# KiCad board SparkFun_Pro_Mini-ESP32_panelized.kicad_pcb (continued)
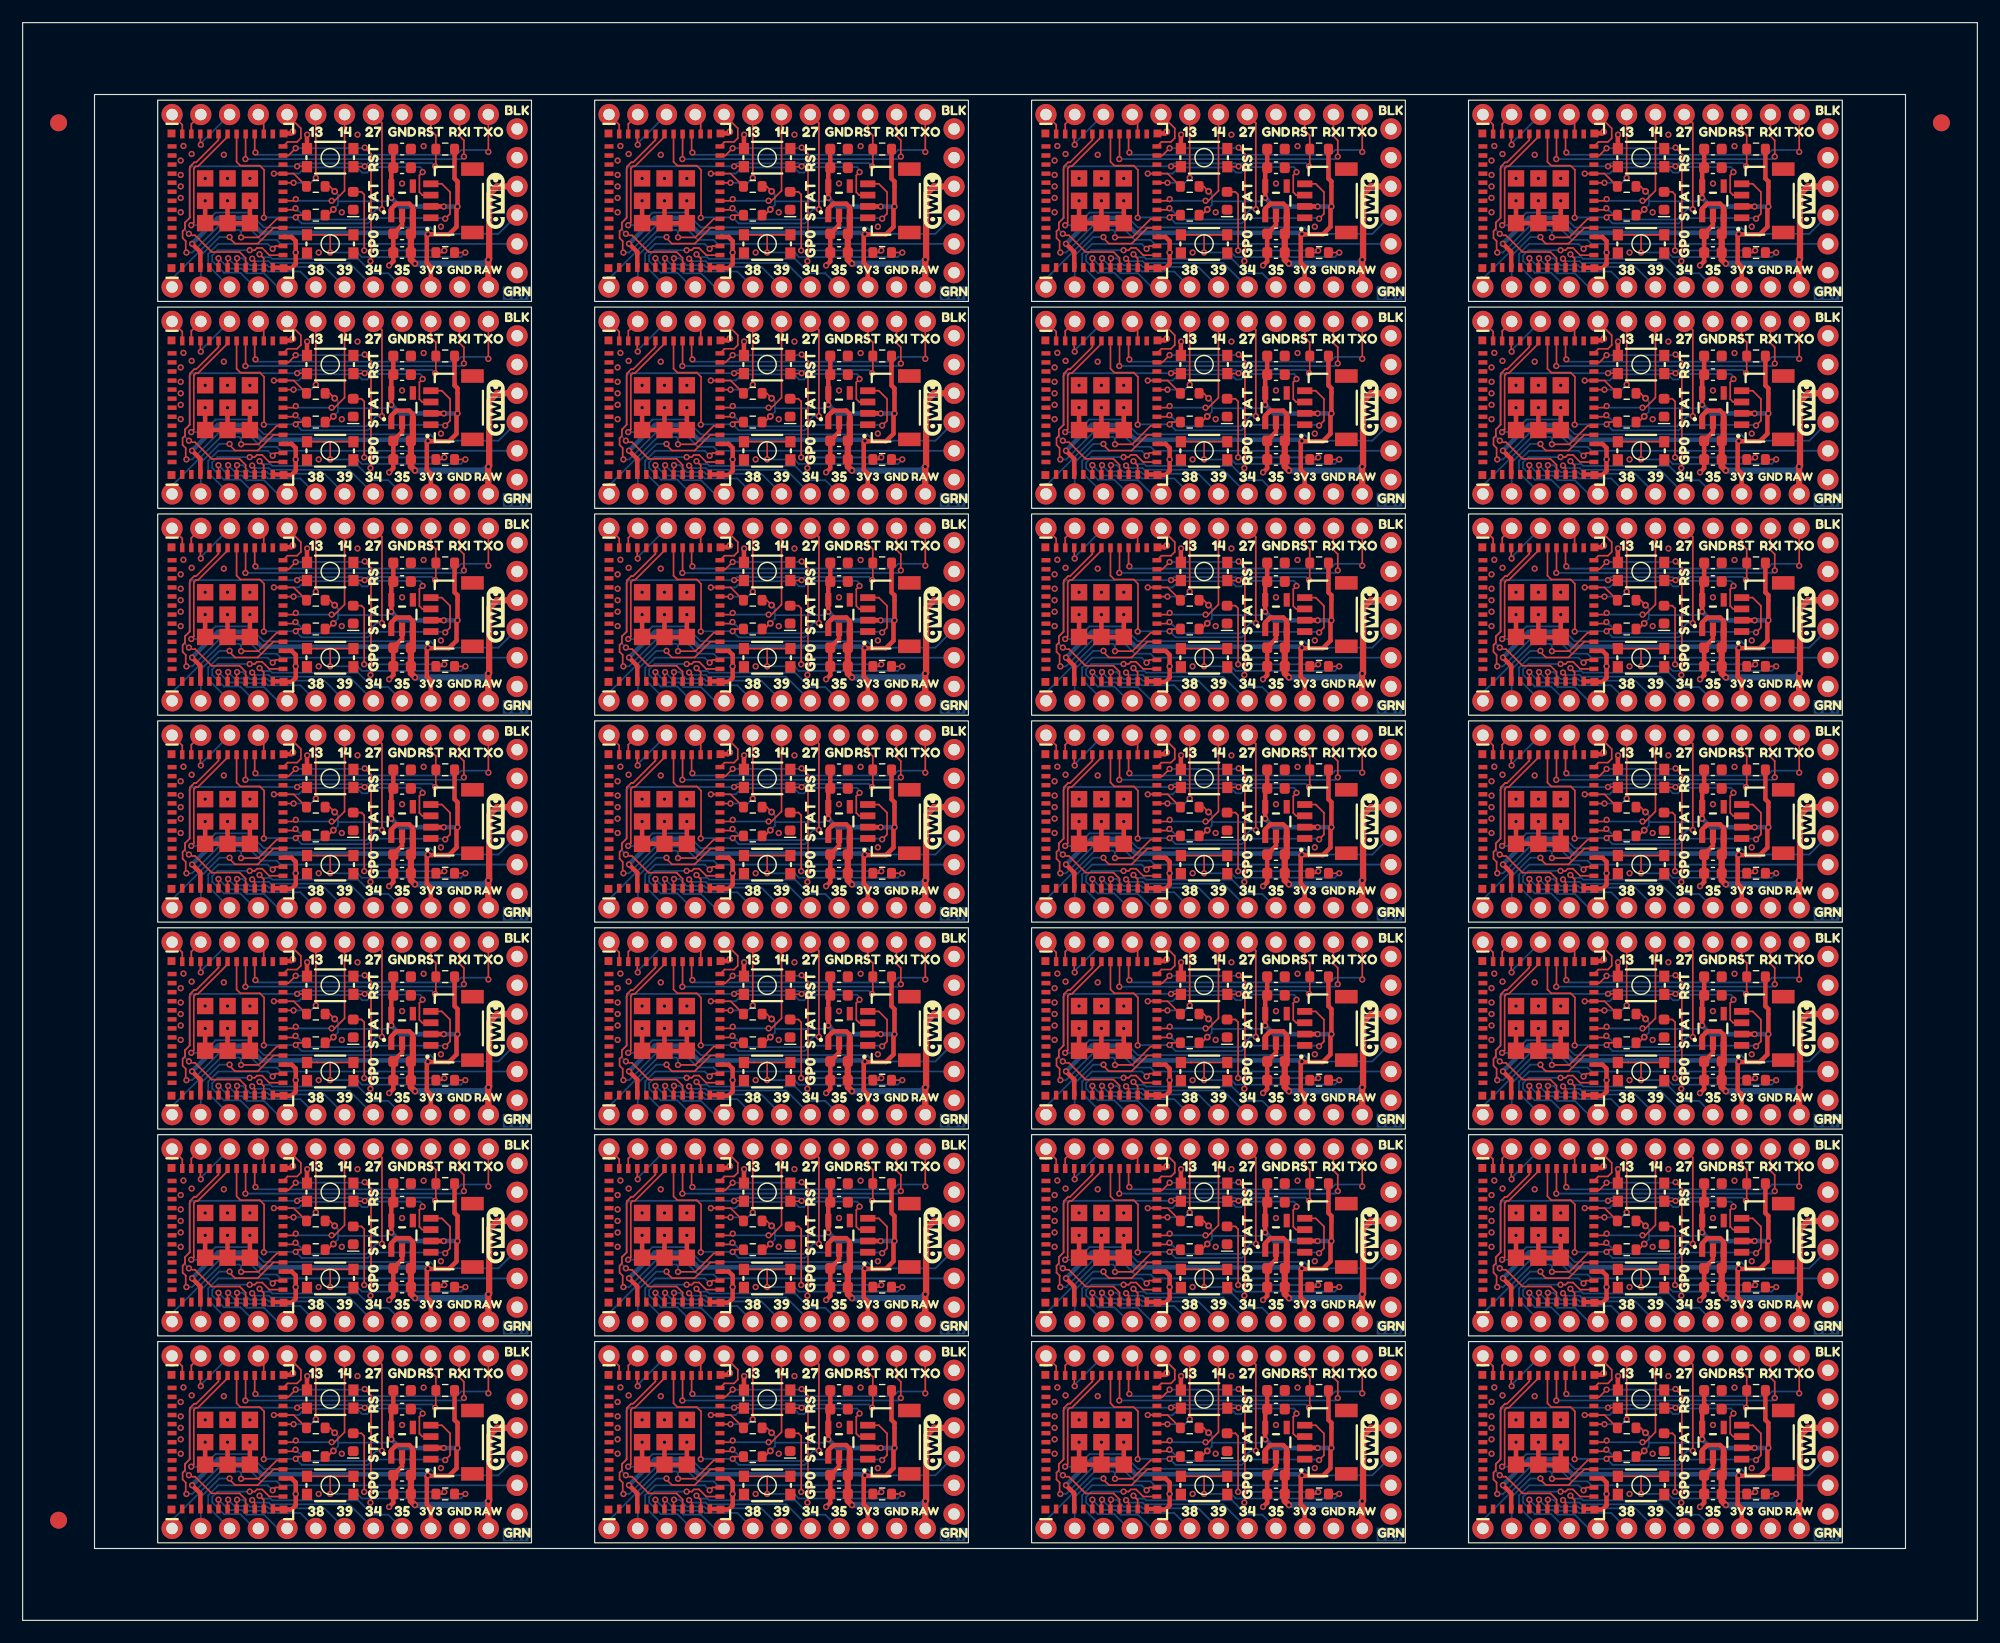
[diagram p0: board, top side]
## Placement (name value [footprint] x y rotation side) (continued)
kibuzzard-64DAF3F2#18  G***  [kibuzzard-64DAF3F2]  67.04 58.4 0 top
kibuzzard-64DAF3F2#19  G***  [kibuzzard-64DAF3F2]  144.24 40.12 0 top
kibuzzard-64DAF3F2#20  G***  [kibuzzard-64DAF3F2]  105.64 21.84 0 top
kibuzzard-64DAF3F2#21  G***  [kibuzzard-64DAF3F2]  67.04 76.68 0 top
kibuzzard-64DAF3F2#22  G***  [kibuzzard-64DAF3F2]  67.04 131.52 0 top
kibuzzard-64DAF3F2#23  G***  [kibuzzard-64DAF3F2]  105.64 40.12 0 top
kibuzzard-64DAF3F2#24  G***  [kibuzzard-64DAF3F2]  105.64 58.4 0 top
kibuzzard-64DAF3F2#25  G***  [kibuzzard-64DAF3F2]  28.44 76.68 0 top
kibuzzard-64DAF3F2#26  G***  [kibuzzard-64DAF3F2]  28.44 58.4 0 top
kibuzzard-64DAF3F2#27  G***  [kibuzzard-64DAF3F2]  67.04 113.24 0 top
kibuzzard-64DAF3F2#28  G***  [kibuzzard-64DAF3F2]  67.04 21.84 0 top
kibuzzard-64DAF3F2#29  G***  [kibuzzard-64DAF3F2]  105.64 40.12 180 bottom
kibuzzard-64DAF3F2#30  G***  [kibuzzard-64DAF3F2]  28.44 76.68 180 bottom
kibuzzard-64DAF3F2#31  G***  [kibuzzard-64DAF3F2]  28.44 131.52 180 bottom
kibuzzard-64DAF3F2#32  G***  [kibuzzard-64DAF3F2]  144.24 94.96 180 bottom
kibuzzard-64DAF3F2#33  G***  [kibuzzard-64DAF3F2]  67.04 113.24 180 bottom
kibuzzard-64DAF3F2#34  G***  [kibuzzard-64DAF3F2]  67.04 21.84 180 bottom
kibuzzard-64DAF3F2#35  G***  [kibuzzard-64DAF3F2]  67.04 58.4 180 bottom
kibuzzard-64DAF3F2#36  G***  [kibuzzard-64DAF3F2]  105.64 21.84 180 bottom
kibuzzard-64DAF3F2#37  G***  [kibuzzard-64DAF3F2]  28.44 58.4 180 bottom
kibuzzard-64DAF3F2#38  G***  [kibuzzard-64DAF3F2]  28.44 113.24 180 bottom
kibuzzard-64DAF3F2#39  G***  [kibuzzard-64DAF3F2]  67.04 94.96 180 bottom
kibuzzard-64DAF3F2#40  G***  [kibuzzard-64DAF3F2]  28.44 94.96 180 bottom
kibuzzard-64DAF3F2#41  G***  [kibuzzard-64DAF3F2]  105.64 131.52 180 bottom
kibuzzard-64DAF3F2#42  G***  [kibuzzard-64DAF3F2]  28.44 21.84 180 bottom
kibuzzard-64DAF3F2#43  G***  [kibuzzard-64DAF3F2]  144.24 21.84 180 bottom
kibuzzard-64DAF3F2#44  G***  [kibuzzard-64DAF3F2]  105.64 113.24 180 bottom
kibuzzard-64DAF3F2#45  G***  [kibuzzard-64DAF3F2]  144.24 113.24 180 bottom
kibuzzard-64DAF3F2#46  G***  [kibuzzard-64DAF3F2]  105.64 58.4 180 bottom
kibuzzard-64DAF3F2#47  G***  [kibuzzard-64DAF3F2]  144.24 131.52 180 bottom
kibuzzard-64DAF3F2#48  G***  [kibuzzard-64DAF3F2]  67.04 131.52 180 bottom
kibuzzard-64DAF3F2#49  G***  [kibuzzard-64DAF3F2]  144.24 76.68 180 bottom
kibuzzard-64DAF3F2#50  G***  [kibuzzard-64DAF3F2]  105.64 76.68 180 bottom
kibuzzard-64DAF3F2#51  G***  [kibuzzard-64DAF3F2]  67.04 40.12 180 bottom
kibuzzard-64DAF3F2#52  G***  [kibuzzard-64DAF3F2]  144.24 40.12 180 bottom
kibuzzard-64DAF3F2#53  G***  [kibuzzard-64DAF3F2]  28.44 40.12 180 bottom
kibuzzard-64DAF3F2#54  G***  [kibuzzard-64DAF3F2]  67.04 76.68 180 bottom
kibuzzard-64DAF3F2#55  G***  [kibuzzard-64DAF3F2]  144.24 58.4 180 bottom
kibuzzard-64DAF3F2#56  G***  [kibuzzard-64DAF3F2]  105.64 94.96 180 bottom
kibuzzard-64DAF38C  G***  [kibuzzard-64DAF38C]  151.86 46.2 0 top
kibuzzard-64DAF38C#2  G***  [kibuzzard-64DAF38C]  151.86 119.32 0 top
kibuzzard-64DAF38C#3  G***  [kibuzzard-64DAF38C]  74.66 101.04 0 top
kibuzzard-64DAF38C#4  G***  [kibuzzard-64DAF38C]  151.86 82.76 0 top
kibuzzard-64DAF38C#5  G***  [kibuzzard-64DAF38C]  74.66 27.92 0 top
kibuzzard-64DAF38C#6  G***  [kibuzzard-64DAF38C]  36.06 9.64 0 top
kibuzzard-64DAF38C#7  G***  [kibuzzard-64DAF38C]  36.06 119.32 0 top
kibuzzard-64DAF38C#8  G***  [kibuzzard-64DAF38C]  113.26 9.64 0 top
kibuzzard-64DAF38C#9  G***  [kibuzzard-64DAF38C]  74.66 119.32 0 top
kibuzzard-64DAF38C#10  G***  [kibuzzard-64DAF38C]  36.06 101.04 0 top
kibuzzard-64DAF38C#11  G***  [kibuzzard-64DAF38C]  113.26 64.48 0 top
kibuzzard-64DAF38C#12  G***  [kibuzzard-64DAF38C]  74.66 82.76 0 top
kibuzzard-64DAF38C#13  G***  [kibuzzard-64DAF38C]  151.86 9.64 0 top
kibuzzard-64DAF38C#14  G***  [kibuzzard-64DAF38C]  36.06 82.76 0 top
kibuzzard-64DAF38C#15  G***  [kibuzzard-64DAF38C]  36.06 46.2 0 top
kibuzzard-64DAF38C#16  G***  [kibuzzard-64DAF38C]  151.86 27.92 0 top
kibuzzard-64DAF38C#17  G***  [kibuzzard-64DAF38C]  74.66 9.64 0 top
kibuzzard-64DAF38C#18  G***  [kibuzzard-64DAF38C]  74.66 64.48 0 top
kibuzzard-64DAF38C#19  G***  [kibuzzard-64DAF38C]  113.26 82.76 0 top
kibuzzard-64DAF38C#20  G***  [kibuzzard-64DAF38C]  113.26 27.92 0 top
kibuzzard-64DAF38C#21  G***  [kibuzzard-64DAF38C]  151.86 101.04 0 top
kibuzzard-64DAF38C#22  G***  [kibuzzard-64DAF38C]  113.26 119.32 0 top
kibuzzard-64DAF38C#23  G***  [kibuzzard-64DAF38C]  151.86 64.48 0 top
kibuzzard-64DAF38C#24  G***  [kibuzzard-64DAF38C]  113.26 101.04 0 top
kibuzzard-64DAF38C#25  G***  [kibuzzard-64DAF38C]  36.06 27.92 0 top
kibuzzard-64DAF38C#26  G***  [kibuzzard-64DAF38C]  36.06 64.48 0 top
kibuzzard-64DAF38C#27  G***  [kibuzzard-64DAF38C]  113.26 46.2 0 top
kibuzzard-64DAF38C#28  G***  [kibuzzard-64DAF38C]  74.66 46.2 0 top
kibuzzard-64DAF38C#29  G***  [kibuzzard-64DAF38C]  36.06 46.2 180 bottom
kibuzzard-64DAF38C#30  G***  [kibuzzard-64DAF38C]  36.06 64.48 180 bottom
kibuzzard-64DAF38C#31  G***  [kibuzzard-64DAF38C]  113.26 46.2 180 bottom
kibuzzard-64DAF38C#32  G***  [kibuzzard-64DAF38C]  151.86 64.48 180 bottom
kibuzzard-64DAF38C#33  G***  [kibuzzard-64DAF38C]  113.26 64.48 180 bottom
kibuzzard-64DAF38C#34  G***  [kibuzzard-64DAF38C]  151.86 9.64 180 bottom
kibuzzard-64DAF38C#35  G***  [kibuzzard-64DAF38C]  74.66 46.2 180 bottom
kibuzzard-64DAF38C#36  G***  [kibuzzard-64DAF38C]  113.26 27.92 180 bottom
kibuzzard-64DAF38C#37  G***  [kibuzzard-64DAF38C]  151.86 46.2 180 bottom
kibuzzard-64DAF38C#38  G***  [kibuzzard-64DAF38C]  36.06 9.64 180 bottom
kibuzzard-64DAF38C#39  G***  [kibuzzard-64DAF38C]  113.26 119.32 180 bottom
kibuzzard-64DAF38C#40  G***  [kibuzzard-64DAF38C]  113.26 82.76 180 bottom
kibuzzard-64DAF38C#41  G***  [kibuzzard-64DAF38C]  151.86 82.76 180 bottom
kibuzzard-64DAF38C#42  G***  [kibuzzard-64DAF38C]  74.66 9.64 180 bottom
kibuzzard-64DAF38C#43  G***  [kibuzzard-64DAF38C]  113.26 101.04 180 bottom
kibuzzard-64DAF38C#44  G***  [kibuzzard-64DAF38C]  74.66 101.04 180 bottom
kibuzzard-64DAF38C#45  G***  [kibuzzard-64DAF38C]  74.66 82.76 180 bottom
kibuzzard-64DAF38C#46  G***  [kibuzzard-64DAF38C]  36.06 101.04 180 bottom
kibuzzard-64DAF38C#47  G***  [kibuzzard-64DAF38C]  36.06 119.32 180 bottom
kibuzzard-64DAF38C#48  G***  [kibuzzard-64DAF38C]  74.66 119.32 180 bottom
kibuzzard-64DAF38C#49  G***  [kibuzzard-64DAF38C]  36.06 82.76 180 bottom
kibuzzard-64DAF38C#50  G***  [kibuzzard-64DAF38C]  151.86 119.32 180 bottom
kibuzzard-64DAF38C#51  G***  [kibuzzard-64DAF38C]  151.86 27.92 180 bottom
kibuzzard-64DAF38C#52  G***  [kibuzzard-64DAF38C]  74.66 27.92 180 bottom
kibuzzard-64DAF38C#53  G***  [kibuzzard-64DAF38C]  113.26 9.64 180 bottom
kibuzzard-64DAF38C#54  G***  [kibuzzard-64DAF38C]  74.66 64.48 180 bottom
kibuzzard-64DAF38C#55  G***  [kibuzzard-64DAF38C]  151.86 101.04 180 bottom
kibuzzard-64DAF38C#56  G***  [kibuzzard-64DAF38C]  36.06 27.92 180 bottom
kibuzzard-64DAF158  G***  [kibuzzard-64DAF158]  146.78 48.49 90 top
kibuzzard-64DAF158#2  G***  [kibuzzard-64DAF158]  146.78 30.21 90 top
kibuzzard-64DAF158#3  G***  [kibuzzard-64DAF158]  108.18 85.05 90 top
kibuzzard-64DAF158#4  G***  [kibuzzard-64DAF158]  108.18 103.33 90 top
kibuzzard-64DAF158#5  G***  [kibuzzard-64DAF158]  108.18 48.49 90 top
kibuzzard-64DAF158#6  G***  [kibuzzard-64DAF158]  146.78 103.33 90 top
kibuzzard-64DAF158#7  G***  [kibuzzard-64DAF158]  30.98 121.61 90 top
kibuzzard-64DAF158#8  G***  [kibuzzard-64DAF158]  30.98 11.93 90 top
kibuzzard-64DAF158#9  G***  [kibuzzard-64DAF158]  30.98 30.21 90 top
kibuzzard-64DAF158#10  G***  [kibuzzard-64DAF158]  108.18 66.77 90 top
kibuzzard-64DAF158#11  G***  [kibuzzard-64DAF158]  69.58 11.93 90 top
kibuzzard-64DAF158#12  G***  [kibuzzard-64DAF158]  30.98 48.49 90 top
kibuzzard-64DAF158#13  G***  [kibuzzard-64DAF158]  146.78 85.05 90 top
kibuzzard-64DAF158#14  G***  [kibuzzard-64DAF158]  69.58 48.49 90 top
kibuzzard-64DAF158#15  G***  [kibuzzard-64DAF158]  146.78 66.77 90 top
kibuzzard-64DAF158#16  G***  [kibuzzard-64DAF158]  108.18 121.61 90 top
kibuzzard-64DAF158#17  G***  [kibuzzard-64DAF158]  108.18 30.21 90 top
kibuzzard-64DAF158#18  G***  [kibuzzard-64DAF158]  30.98 66.77 90 top
kibuzzard-64DAF158#19  G***  [kibuzzard-64DAF158]  69.58 66.77 90 top
kibuzzard-64DAF158#20  G***  [kibuzzard-64DAF158]  69.58 30.21 90 top
kibuzzard-64DAF158#21  G***  [kibuzzard-64DAF158]  69.58 85.05 90 top
kibuzzard-64DAF158#22  G***  [kibuzzard-64DAF158]  30.98 103.33 90 top
kibuzzard-64DAF158#23  G***  [kibuzzard-64DAF158]  30.98 85.05 90 top
kibuzzard-64DAF158#24  G***  [kibuzzard-64DAF158]  146.78 121.61 90 top
kibuzzard-64DAF158#25  G***  [kibuzzard-64DAF158]  108.18 11.93 90 top
kibuzzard-64DAF158#26  G***  [kibuzzard-64DAF158]  146.78 11.93 90 top
kibuzzard-64DAF158#27  G***  [kibuzzard-64DAF158]  69.58 121.61 90 top
kibuzzard-64DAF158#28  G***  [kibuzzard-64DAF158]  69.58 103.33 90 top
kibuzzard-64DAF167  G***  [kibuzzard-64DAF167]  146.78 74.39 90 top
kibuzzard-64DAF167#2  G***  [kibuzzard-64DAF167]  69.58 74.39 90 top
kibuzzard-64DAF167#3  G***  [kibuzzard-64DAF167]  30.98 92.67 90 top
kibuzzard-64DAF167#4  G***  [kibuzzard-64DAF167]  69.58 110.95 90 top
kibuzzard-64DAF167#5  G***  [kibuzzard-64DAF167]  108.18 19.55 90 top
kibuzzard-64DAF167#6  G***  [kibuzzard-64DAF167]  146.78 56.11 90 top
kibuzzard-64DAF167#7  G***  [kibuzzard-64DAF167]  69.58 56.11 90 top
kibuzzard-64DAF167#8  G***  [kibuzzard-64DAF167]  30.98 74.39 90 top
kibuzzard-64DAF167#9  G***  [kibuzzard-64DAF167]  108.18 110.95 90 top
kibuzzard-64DAF167#10  G***  [kibuzzard-64DAF167]  108.18 74.39 90 top
kibuzzard-64DAF167#11  G***  [kibuzzard-64DAF167]  146.78 19.55 90 top
kibuzzard-64DAF167#12  G***  [kibuzzard-64DAF167]  108.18 37.83 90 top
kibuzzard-64DAF167#13  G***  [kibuzzard-64DAF167]  69.58 37.83 90 top
kibuzzard-64DAF167#14  G***  [kibuzzard-64DAF167]  69.58 129.23 90 top
kibuzzard-64DAF167#15  G***  [kibuzzard-64DAF167]  108.18 129.23 90 top
kibuzzard-64DAF167#16  G***  [kibuzzard-64DAF167]  30.98 56.11 90 top
kibuzzard-64DAF167#17  G***  [kibuzzard-64DAF167]  30.98 19.55 90 top
kibuzzard-64DAF167#18  G***  [kibuzzard-64DAF167]  69.58 19.55 90 top
kibuzzard-64DAF167#19  G***  [kibuzzard-64DAF167]  146.78 129.23 90 top
kibuzzard-64DAF167#20  G***  [kibuzzard-64DAF167]  146.78 92.67 90 top
kibuzzard-64DAF167#21  G***  [kibuzzard-64DAF167]  30.98 110.95 90 top
kibuzzard-64DAF167#22  G***  [kibuzzard-64DAF167]  146.78 110.95 90 top
kibuzzard-64DAF167#23  G***  [kibuzzard-64DAF167]  30.98 129.23 90 top
kibuzzard-64DAF167#24  G***  [kibuzzard-64DAF167]  108.18 56.11 90 top
kibuzzard-64DAF167#25  G***  [kibuzzard-64DAF167]  30.98 37.83 90 top
kibuzzard-64DAF167#26  G***  [kibuzzard-64DAF167]  69.58 92.67 90 top
kibuzzard-64DAF167#27  G***  [kibuzzard-64DAF167]  146.78 37.83 90 top
kibuzzard-64DAF167#28  G***  [kibuzzard-64DAF167]  108.18 92.67 90 top
kibuzzard-64DAF417  G***  [kibuzzard-64DAF417]  108.18 76.68 0 top
kibuzzard-64DAF417#2  G***  [kibuzzard-64DAF417]  30.98 113.24 0 top
kibuzzard-64DAF417#3  G***  [kibuzzard-64DAF417]  146.78 40.12 0 top
kibuzzard-64DAF417#4  G***  [kibuzzard-64DAF417]  69.58 94.96 0 top
kibuzzard-64DAF417#5  G***  [kibuzzard-64DAF417]  69.58 40.12 0 top
kibuzzard-64DAF417#6  G***  [kibuzzard-64DAF417]  146.78 21.84 0 top
kibuzzard-64DAF417#7  G***  [kibuzzard-64DAF417]  146.78 58.4 0 top
kibuzzard-64DAF417#8  G***  [kibuzzard-64DAF417]  146.78 131.52 0 top
kibuzzard-64DAF417#9  G***  [kibuzzard-64DAF417]  146.78 76.68 0 top
kibuzzard-64DAF417#10  G***  [kibuzzard-64DAF417]  69.58 113.24 0 top
kibuzzard-64DAF417#11  G***  [kibuzzard-64DAF417]  108.18 40.12 0 top
kibuzzard-64DAF417#12  G***  [kibuzzard-64DAF417]  30.98 21.84 0 top
kibuzzard-64DAF417#13  G***  [kibuzzard-64DAF417]  69.58 76.68 0 top
kibuzzard-64DAF417#14  G***  [kibuzzard-64DAF417]  30.98 58.4 0 top
kibuzzard-64DAF417#15  G***  [kibuzzard-64DAF417]  108.18 58.4 0 top
kibuzzard-64DAF417#16  G***  [kibuzzard-64DAF417]  146.78 113.24 0 top
kibuzzard-64DAF417#17  G***  [kibuzzard-64DAF417]  30.98 76.68 0 top
kibuzzard-64DAF417#18  G***  [kibuzzard-64DAF417]  108.18 113.24 0 top
kibuzzard-64DAF417#19  G***  [kibuzzard-64DAF417]  108.18 131.52 0 top
kibuzzard-64DAF417#20  G***  [kibuzzard-64DAF417]  30.98 40.12 0 top
kibuzzard-64DAF417#21  G***  [kibuzzard-64DAF417]  108.18 94.96 0 top
kibuzzard-64DAF417#22  G***  [kibuzzard-64DAF417]  69.58 58.4 0 top
kibuzzard-64DAF417#23  G***  [kibuzzard-64DAF417]  30.98 94.96 0 top
kibuzzard-64DAF417#24  G***  [kibuzzard-64DAF417]  30.98 131.52 0 top
kibuzzard-64DAF417#25  G***  [kibuzzard-64DAF417]  108.18 21.84 0 top
kibuzzard-64DAF417#26  G***  [kibuzzard-64DAF417]  69.58 21.84 0 top
kibuzzard-64DAF417#27  G***  [kibuzzard-64DAF417]  146.78 94.96 0 top
kibuzzard-64DAF417#28  G***  [kibuzzard-64DAF417]  69.58 131.52 0 top
kibuzzard-64DAF417#29  G***  [kibuzzard-64DAF417]  30.98 94.96 180 bottom
kibuzzard-64DAF417#30  G***  [kibuzzard-64DAF417]  146.78 76.68 180 bottom
kibuzzard-64DAF417#31  G***  [kibuzzard-64DAF417]  69.58 131.52 180 bottom
kibuzzard-64DAF417#32  G***  [kibuzzard-64DAF417]  146.78 21.84 180 bottom
kibuzzard-64DAF417#33  G***  [kibuzzard-64DAF417]  69.58 21.84 180 bottom
kibuzzard-64DAF417#34  G***  [kibuzzard-64DAF417]  30.98 40.12 180 bottom
kibuzzard-64DAF417#35  G***  [kibuzzard-64DAF417]  69.58 76.68 180 bottom
kibuzzard-64DAF417#36  G***  [kibuzzard-64DAF417]  108.18 58.4 180 bottom
kibuzzard-64DAF417#37  G***  [kibuzzard-64DAF417]  30.98 21.84 180 bottom
kibuzzard-64DAF417#38  G***  [kibuzzard-64DAF417]  108.18 94.96 180 bottom
kibuzzard-64DAF417#39  G***  [kibuzzard-64DAF417]  108.18 76.68 180 bottom
kibuzzard-64DAF417#40  G***  [kibuzzard-64DAF417]  69.58 113.24 180 bottom
kibuzzard-64DAF417#41  G***  [kibuzzard-64DAF417]  30.98 76.68 180 bottom
kibuzzard-64DAF417#42  G***  [kibuzzard-64DAF417]  146.78 58.4 180 bottom
kibuzzard-64DAF417#43  G***  [kibuzzard-64DAF417]  108.18 21.84 180 bottom
kibuzzard-64DAF417#44  G***  [kibuzzard-64DAF417]  146.78 40.12 180 bottom
kibuzzard-64DAF417#45  G***  [kibuzzard-64DAF417]  146.78 94.96 180 bottom
kibuzzard-64DAF417#46  G***  [kibuzzard-64DAF417]  146.78 131.52 180 bottom
kibuzzard-64DAF417#47  G***  [kibuzzard-64DAF417]  30.98 131.52 180 bottom
kibuzzard-64DAF417#48  G***  [kibuzzard-64DAF417]  108.18 40.12 180 bottom
kibuzzard-64DAF417#49  G***  [kibuzzard-64DAF417]  108.18 131.52 180 bottom
kibuzzard-64DAF417#50  G***  [kibuzzard-64DAF417]  69.58 40.12 180 bottom
kibuzzard-64DAF417#51  G***  [kibuzzard-64DAF417]  69.58 94.96 180 bottom
kibuzzard-64DAF417#52  G***  [kibuzzard-64DAF417]  108.18 113.24 180 bottom
kibuzzard-64DAF417#53  G***  [kibuzzard-64DAF417]  69.58 58.4 180 bottom
kibuzzard-64DAF417#54  G***  [kibuzzard-64DAF417]  30.98 58.4 180 bottom
kibuzzard-64DAF417#55  G***  [kibuzzard-64DAF417]  146.78 113.24 180 bottom
kibuzzard-64DAF417#56  G***  [kibuzzard-64DAF417]  30.98 113.24 180 bottom
kibuzzard-64DAF507  G***  [kibuzzard-64DAF507]  108.18 15.74 90 top
kibuzzard-64DAF507#2  G***  [kibuzzard-64DAF507]  146.78 88.86 90 top
kibuzzard-64DAF507#3  G***  [kibuzzard-64DAF507]  30.98 34.02 90 top
kibuzzard-64DAF507#4  G***  [kibuzzard-64DAF507]  146.78 52.3 90 top
kibuzzard-64DAF507#5  G***  [kibuzzard-64DAF507]  69.58 34.02 90 top
kibuzzard-64DAF507#6  G***  [kibuzzard-64DAF507]  30.98 107.14 90 top
kibuzzard-64DAF507#7  G***  [kibuzzard-64DAF507]  30.98 15.74 90 top
kibuzzard-64DAF507#8  G***  [kibuzzard-64DAF507]  108.18 107.14 90 top
kibuzzard-64DAF507#9  G***  [kibuzzard-64DAF507]  108.18 52.3 90 top
kibuzzard-64DAF507#10  G***  [kibuzzard-64DAF507]  146.78 34.02 90 top
kibuzzard-64DAF507#11  G***  [kibuzzard-64DAF507]  146.78 107.14 90 top
kibuzzard-64DAF507#12  G***  [kibuzzard-64DAF507]  69.58 107.14 90 top
kibuzzard-64DAF507#13  G***  [kibuzzard-64DAF507]  146.78 15.74 90 top
kibuzzard-64DAF507#14  G***  [kibuzzard-64DAF507]  108.18 70.58 90 top
kibuzzard-64DAF507#15  G***  [kibuzzard-64DAF507]  146.78 125.42 90 top
kibuzzard-64DAF507#16  G***  [kibuzzard-64DAF507]  69.58 15.74 90 top
kibuzzard-64DAF507#17  G***  [kibuzzard-64DAF507]  69.58 125.42 90 top
kibuzzard-64DAF507#18  G***  [kibuzzard-64DAF507]  30.98 52.3 90 top
kibuzzard-64DAF507#19  G***  [kibuzzard-64DAF507]  146.78 70.58 90 top
kibuzzard-64DAF507#20  G***  [kibuzzard-64DAF507]  69.58 88.86 90 top
kibuzzard-64DAF507#21  G***  [kibuzzard-64DAF507]  69.58 52.3 90 top
kibuzzard-64DAF507#22  G***  [kibuzzard-64DAF507]  108.18 34.02 90 top
kibuzzard-64DAF507#23  G***  [kibuzzard-64DAF507]  108.18 125.42 90 top
kibuzzard-64DAF507#24  G***  [kibuzzard-64DAF507]  108.18 88.86 90 top
kibuzzard-64DAF507#25  G***  [kibuzzard-64DAF507]  30.98 70.58 90 top
kibuzzard-64DAF507#26  G***  [kibuzzard-64DAF507]  30.98 88.86 90 top
kibuzzard-64DAF507#27  G***  [kibuzzard-64DAF507]  69.58 70.58 90 top
kibuzzard-64DAF507#28  G***  [kibuzzard-64DAF507]  30.98 125.42 90 top
kibuzzard-64DED6B3  G***  [kibuzzard-64DED6B3]  141.7 131.52 0 top
kibuzzard-64DED6B3#2  G***  [kibuzzard-64DED6B3]  103.1 94.96 0 top
kibuzzard-64DED6B3#3  G***  [kibuzzard-64DED6B3]  64.5 58.4 0 top
kibuzzard-64DED6B3#4  G***  [kibuzzard-64DED6B3]  25.9 131.52 0 top
kibuzzard-64DED6B3#5  G***  [kibuzzard-64DED6B3]  64.5 131.52 0 top
kibuzzard-64DED6B3#6  G***  [kibuzzard-64DED6B3]  25.9 40.12 0 top
kibuzzard-64DED6B3#7  G***  [kibuzzard-64DED6B3]  103.1 21.84 0 top
kibuzzard-64DED6B3#8  G***  [kibuzzard-64DED6B3]  141.7 21.84 0 top
kibuzzard-64DED6B3#9  G***  [kibuzzard-64DED6B3]  25.9 58.4 0 top
kibuzzard-64DED6B3#10  G***  [kibuzzard-64DED6B3]  64.5 40.12 0 top
kibuzzard-64DED6B3#11  G***  [kibuzzard-64DED6B3]  141.7 40.12 0 top
kibuzzard-64DED6B3#12  G***  [kibuzzard-64DED6B3]  103.1 113.24 0 top
kibuzzard-64DED6B3#13  G***  [kibuzzard-64DED6B3]  103.1 58.4 0 top
kibuzzard-64DED6B3#14  G***  [kibuzzard-64DED6B3]  64.5 94.96 0 top
kibuzzard-64DED6B3#15  G***  [kibuzzard-64DED6B3]  141.7 94.96 0 top
kibuzzard-64DED6B3#16  G***  [kibuzzard-64DED6B3]  141.7 113.24 0 top
kibuzzard-64DED6B3#17  G***  [kibuzzard-64DED6B3]  25.9 76.68 0 top
kibuzzard-64DED6B3#18  G***  [kibuzzard-64DED6B3]  64.5 113.24 0 top
kibuzzard-64DED6B3#19  G***  [kibuzzard-64DED6B3]  103.1 40.12 0 top
kibuzzard-64DED6B3#20  G***  [kibuzzard-64DED6B3]  103.1 76.68 0 top
kibuzzard-64DED6B3#21  G***  [kibuzzard-64DED6B3]  25.9 113.24 0 top
kibuzzard-64DED6B3#22  G***  [kibuzzard-64DED6B3]  64.5 21.84 0 top
kibuzzard-64DED6B3#23  G***  [kibuzzard-64DED6B3]  103.1 131.52 0 top
kibuzzard-64DED6B3#24  G***  [kibuzzard-64DED6B3]  25.9 94.96 0 top
kibuzzard-64DED6B3#25  G***  [kibuzzard-64DED6B3]  64.5 76.68 0 top
kibuzzard-64DED6B3#26  G***  [kibuzzard-64DED6B3]  141.7 58.4 0 top
kibuzzard-64DED6B3#27  G***  [kibuzzard-64DED6B3]  141.7 76.68 0 top
kibuzzard-64DED6B3#28  G***  [kibuzzard-64DED6B3]  25.9 21.84 0 top
kibuzzard-64DED6B3#29  G***  [kibuzzard-64DED6B3]  141.7 113.24 180 bottom
kibuzzard-64DED6B3#30  G***  [kibuzzard-64DED6B3]  25.9 58.4 180 bottom
kibuzzard-64DED6B3#31  G***  [kibuzzard-64DED6B3]  25.9 94.96 180 bottom
kibuzzard-64DED6B3#32  G***  [kibuzzard-64DED6B3]  141.7 131.52 180 bottom
kibuzzard-64DED6B3#33  G***  [kibuzzard-64DED6B3]  64.5 76.68 180 bottom
kibuzzard-64DED6B3#34  G***  [kibuzzard-64DED6B3]  64.5 58.4 180 bottom
kibuzzard-64DED6B3#35  G***  [kibuzzard-64DED6B3]  141.7 21.84 180 bottom
kibuzzard-64DED6B3#36  G***  [kibuzzard-64DED6B3]  103.1 113.24 180 bottom
kibuzzard-64DED6B3#37  G***  [kibuzzard-64DED6B3]  103.1 76.68 180 bottom
kibuzzard-64DED6B3#38  G***  [kibuzzard-64DED6B3]  64.5 40.12 180 bottom
kibuzzard-64DED6B3#39  G***  [kibuzzard-64DED6B3]  25.9 21.84 180 bottom
kibuzzard-64DED6B3#40  G***  [kibuzzard-64DED6B3]  64.5 131.52 180 bottom
kibuzzard-64DED6B3#41  G***  [kibuzzard-64DED6B3]  141.7 76.68 180 bottom
kibuzzard-64DED6B3#42  G***  [kibuzzard-64DED6B3]  103.1 40.12 180 bottom
kibuzzard-64DED6B3#43  G***  [kibuzzard-64DED6B3]  25.9 131.52 180 bottom
kibuzzard-64DED6B3#44  G***  [kibuzzard-64DED6B3]  64.5 94.96 180 bottom
kibuzzard-64DED6B3#45  G***  [kibuzzard-64DED6B3]  103.1 131.52 180 bottom
kibuzzard-64DED6B3#46  G***  [kibuzzard-64DED6B3]  64.5 21.84 180 bottom
kibuzzard-64DED6B3#47  G***  [kibuzzard-64DED6B3]  103.1 21.84 180 bottom
kibuzzard-64DED6B3#48  G***  [kibuzzard-64DED6B3]  103.1 58.4 180 bottom
kibuzzard-64DED6B3#49  G***  [kibuzzard-64DED6B3]  141.7 40.12 180 bottom
kibuzzard-64DED6B3#50  G***  [kibuzzard-64DED6B3]  103.1 94.96 180 bottom
kibuzzard-64DED6B3#51  G***  [kibuzzard-64DED6B3]  25.9 113.24 180 bottom
kibuzzard-64DED6B3#52  G***  [kibuzzard-64DED6B3]  64.5 113.24 180 bottom
kibuzzard-64DED6B3#53  G***  [kibuzzard-64DED6B3]  141.7 94.96 180 bottom
kibuzzard-64DED6B3#54  G***  [kibuzzard-64DED6B3]  25.9 40.12 180 bottom
kibuzzard-64DED6B3#55  G***  [kibuzzard-64DED6B3]  25.9 76.68 180 bottom
kibuzzard-64DED6B3#56  G***  [kibuzzard-64DED6B3]  141.7 58.4 180 bottom
kibuzzard-64DED6BE  G***  [kibuzzard-64DED6BE]  90.4 119.32 180 bottom
kibuzzard-64DED6BE#2  G***  [kibuzzard-64DED6BE]  90.4 27.92 180 bottom
kibuzzard-64DED6BE#3  G***  [kibuzzard-64DED6BE]  90.4 46.2 180 bottom
kibuzzard-64DED6BE#4  G***  [kibuzzard-64DED6BE]  13.2 27.92 180 bottom
kibuzzard-64DED6BE#5  G***  [kibuzzard-64DED6BE]  13.2 119.32 180 bottom
kibuzzard-64DED6BE#6  G***  [kibuzzard-64DED6BE]  90.4 82.76 180 bottom
kibuzzard-64DED6BE#7  G***  [kibuzzard-64DED6BE]  13.2 46.2 180 bottom
kibuzzard-64DED6BE#8  G***  [kibuzzard-64DED6BE]  13.2 64.48 180 bottom
kibuzzard-64DED6BE#9  G***  [kibuzzard-64DED6BE]  90.4 64.48 180 bottom
kibuzzard-64DED6BE#10  G***  [kibuzzard-64DED6BE]  129 64.48 180 bottom
kibuzzard-64DED6BE#11  G***  [kibuzzard-64DED6BE]  13.2 9.64 180 bottom
kibuzzard-64DED6BE#12  G***  [kibuzzard-64DED6BE]  51.8 27.92 180 bottom
kibuzzard-64DED6BE#13  G***  [kibuzzard-64DED6BE]  13.2 101.04 180 bottom
kibuzzard-64DED6BE#14  G***  [kibuzzard-64DED6BE]  51.8 9.64 180 bottom
kibuzzard-64DED6BE#15  G***  [kibuzzard-64DED6BE]  51.8 119.32 180 bottom
kibuzzard-64DED6BE#16  G***  [kibuzzard-64DED6BE]  13.2 82.76 180 bottom
kibuzzard-64DED6BE#17  G***  [kibuzzard-64DED6BE]  90.4 101.04 180 bottom
kibuzzard-64DED6BE#18  G***  [kibuzzard-64DED6BE]  51.8 101.04 180 bottom
kibuzzard-64DED6BE#19  G***  [kibuzzard-64DED6BE]  51.8 64.48 180 bottom
kibuzzard-64DED6BE#20  G***  [kibuzzard-64DED6BE]  129 9.64 180 bottom
kibuzzard-64DED6BE#21  G***  [kibuzzard-64DED6BE]  129 119.32 180 bottom
kibuzzard-64DED6BE#22  G***  [kibuzzard-64DED6BE]  129 101.04 180 bottom
kibuzzard-64DED6BE#23  G***  [kibuzzard-64DED6BE]  90.4 9.64 180 bottom
kibuzzard-64DED6BE#24  G***  [kibuzzard-64DED6BE]  129 27.92 180 bottom
kibuzzard-64DED6BE#25  G***  [kibuzzard-64DED6BE]  51.8 82.76 180 bottom
kibuzzard-64DED6BE#26  G***  [kibuzzard-64DED6BE]  51.8 46.2 180 bottom
kibuzzard-64DED6BE#27  G***  [kibuzzard-64DED6BE]  129 46.2 180 bottom
kibuzzard-64DED6BE#28  G***  [kibuzzard-64DED6BE]  129 82.76 180 bottom
kibuzzard-64DED6C3  G***  [kibuzzard-64DED6C3]  15.74 82.76 180 bottom
kibuzzard-64DED6C3#2  G***  [kibuzzard-64DED6C3]  54.34 9.64 180 bottom
kibuzzard-64DED6C3#3  G***  [kibuzzard-64DED6C3]  15.74 64.48 180 bottom
kibuzzard-64DED6C3#4  G***  [kibuzzard-64DED6C3]  54.34 46.2 180 bottom
kibuzzard-64DED6C3#5  G***  [kibuzzard-64DED6C3]  54.34 82.76 180 bottom
kibuzzard-64DED6C3#6  G***  [kibuzzard-64DED6C3]  131.54 64.48 180 bottom
kibuzzard-64DED6C3#7  G***  [kibuzzard-64DED6C3]  92.94 64.48 180 bottom
kibuzzard-64DED6C3#8  G***  [kibuzzard-64DED6C3]  15.74 119.32 180 bottom
kibuzzard-64DED6C3#9  G***  [kibuzzard-64DED6C3]  92.94 119.32 180 bottom
kibuzzard-64DED6C3#10  G***  [kibuzzard-64DED6C3]  131.54 101.04 180 bottom
kibuzzard-64DED6C3#11  G***  [kibuzzard-64DED6C3]  92.94 82.76 180 bottom
kibuzzard-64DED6C3#12  G***  [kibuzzard-64DED6C3]  15.74 101.04 180 bottom
kibuzzard-64DED6C3#13  G***  [kibuzzard-64DED6C3]  131.54 119.32 180 bottom
kibuzzard-64DED6C3#14  G***  [kibuzzard-64DED6C3]  54.34 119.32 180 bottom
kibuzzard-64DED6C3#15  G***  [kibuzzard-64DED6C3]  15.74 27.92 180 bottom
kibuzzard-64DED6C3#16  G***  [kibuzzard-64DED6C3]  131.54 9.64 180 bottom
kibuzzard-64DED6C3#17  G***  [kibuzzard-64DED6C3]  54.34 27.92 180 bottom
kibuzzard-64DED6C3#18  G***  [kibuzzard-64DED6C3]  92.94 46.2 180 bottom
kibuzzard-64DED6C3#19  G***  [kibuzzard-64DED6C3]  15.74 9.64 180 bottom
kibuzzard-64DED6C3#20  G***  [kibuzzard-64DED6C3]  15.74 46.2 180 bottom
kibuzzard-64DED6C3#21  G***  [kibuzzard-64DED6C3]  54.34 64.48 180 bottom
kibuzzard-64DED6C3#22  G***  [kibuzzard-64DED6C3]  131.54 82.76 180 bottom
kibuzzard-64DED6C3#23  G***  [kibuzzard-64DED6C3]  131.54 27.92 180 bottom
kibuzzard-64DED6C3#24  G***  [kibuzzard-64DED6C3]  54.34 101.04 180 bottom
kibuzzard-64DED6C3#25  G***  [kibuzzard-64DED6C3]  131.54 46.2 180 bottom
kibuzzard-64DED6C3#26  G***  [kibuzzard-64DED6C3]  92.94 9.64 180 bottom
kibuzzard-64DED6C3#27  G***  [kibuzzard-64DED6C3]  92.94 27.92 180 bottom
kibuzzard-64DED6C3#28  G***  [kibuzzard-64DED6C3]  92.94 101.04 180 bottom
kibuzzard-64DED6C8  G***  [kibuzzard-64DED6C8]  134.08 9.64 180 bottom
kibuzzard-64DED6C8#2  G***  [kibuzzard-64DED6C8]  134.08 46.2 180 bottom
kibuzzard-64DED6C8#3  G***  [kibuzzard-64DED6C8]  95.48 101.04 180 bottom
kibuzzard-64DED6C8#4  G***  [kibuzzard-64DED6C8]  56.88 46.2 180 bottom
kibuzzard-64DED6C8#5  G***  [kibuzzard-64DED6C8]  18.28 119.32 180 bottom
kibuzzard-64DED6C8#6  G***  [kibuzzard-64DED6C8]  18.28 101.04 180 bottom
kibuzzard-64DED6C8#7  G***  [kibuzzard-64DED6C8]  95.48 46.2 180 bottom
kibuzzard-64DED6C8#8  G***  [kibuzzard-64DED6C8]  56.88 64.48 180 bottom
kibuzzard-64DED6C8#9  G***  [kibuzzard-64DED6C8]  134.08 119.32 180 bottom
kibuzzard-64DED6C8#10  G***  [kibuzzard-64DED6C8]  18.28 64.48 180 bottom
kibuzzard-64DED6C8#11  G***  [kibuzzard-64DED6C8]  56.88 27.92 180 bottom
kibuzzard-64DED6C8#12  G***  [kibuzzard-64DED6C8]  18.28 9.64 180 bottom
kibuzzard-64DED6C8#13  G***  [kibuzzard-64DED6C8]  56.88 82.76 180 bottom
kibuzzard-64DED6C8#14  G***  [kibuzzard-64DED6C8]  95.48 9.64 180 bottom
kibuzzard-64DED6C8#15  G***  [kibuzzard-64DED6C8]  18.28 82.76 180 bottom
kibuzzard-64DED6C8#16  G***  [kibuzzard-64DED6C8]  56.88 9.64 180 bottom
kibuzzard-64DED6C8#17  G***  [kibuzzard-64DED6C8]  18.28 46.2 180 bottom
kibuzzard-64DED6C8#18  G***  [kibuzzard-64DED6C8]  134.08 27.92 180 bottom
kibuzzard-64DED6C8#19  G***  [kibuzzard-64DED6C8]  95.48 27.92 180 bottom
kibuzzard-64DED6C8#20  G***  [kibuzzard-64DED6C8]  134.08 101.04 180 bottom
kibuzzard-64DED6C8#21  G***  [kibuzzard-64DED6C8]  95.48 119.32 180 bottom
kibuzzard-64DED6C8#22  G***  [kibuzzard-64DED6C8]  95.48 64.48 180 bottom
kibuzzard-64DED6C8#23  G***  [kibuzzard-64DED6C8]  134.08 64.48 180 bottom
kibuzzard-64DED6C8#24  G***  [kibuzzard-64DED6C8]  56.88 119.32 180 bottom
kibuzzard-64DED6C8#25  G***  [kibuzzard-64DED6C8]  134.08 82.76 180 bottom
kibuzzard-64DED6C8#26  G***  [kibuzzard-64DED6C8]  18.28 27.92 180 bottom
kibuzzard-64DED6C8#27  G***  [kibuzzard-64DED6C8]  95.48 82.76 180 bottom
kibuzzard-64DED6C8#28  G***  [kibuzzard-64DED6C8]  56.88 101.04 180 bottom
kibuzzard-64DED6CB  G***  [kibuzzard-64DED6CB]  20.82 101.04 180 bottom
kibuzzard-64DED6CB#2  G***  [kibuzzard-64DED6CB]  20.82 27.92 180 bottom
kibuzzard-64DED6CB#3  G***  [kibuzzard-64DED6CB]  20.82 46.2 180 bottom
kibuzzard-64DED6CB#4  G***  [kibuzzard-64DED6CB]  98.02 82.76 180 bottom
kibuzzard-64DED6CB#5  G***  [kibuzzard-64DED6CB]  136.62 9.64 180 bottom
kibuzzard-64DED6CB#6  G***  [kibuzzard-64DED6CB]  59.42 119.32 180 bottom
kibuzzard-64DED6CB#7  G***  [kibuzzard-64DED6CB]  20.82 64.48 180 bottom
kibuzzard-64DED6CB#8  G***  [kibuzzard-64DED6CB]  98.02 101.04 180 bottom
kibuzzard-64DED6CB#9  G***  [kibuzzard-64DED6CB]  59.42 64.48 180 bottom
kibuzzard-64DED6CB#10  G***  [kibuzzard-64DED6CB]  20.82 9.64 180 bottom
kibuzzard-64DED6CB#11  G***  [kibuzzard-64DED6CB]  136.62 27.92 180 bottom
kibuzzard-64DED6CB#12  G***  [kibuzzard-64DED6CB]  59.42 9.64 180 bottom
kibuzzard-64DED6CB#13  G***  [kibuzzard-64DED6CB]  20.82 82.76 180 bottom
kibuzzard-64DED6CB#14  G***  [kibuzzard-64DED6CB]  136.62 46.2 180 bottom
kibuzzard-64DED6CB#15  G***  [kibuzzard-64DED6CB]  20.82 119.32 180 bottom
kibuzzard-64DED6CB#16  G***  [kibuzzard-64DED6CB]  59.42 101.04 180 bottom
kibuzzard-64DED6CB#17  G***  [kibuzzard-64DED6CB]  59.42 82.76 180 bottom
kibuzzard-64DED6CB#18  G***  [kibuzzard-64DED6CB]  98.02 119.32 180 bottom
kibuzzard-64DED6CB#19  G***  [kibuzzard-64DED6CB]  136.62 82.76 180 bottom
kibuzzard-64DED6CB#20  G***  [kibuzzard-64DED6CB]  98.02 9.64 180 bottom
kibuzzard-64DED6CB#21  G***  [kibuzzard-64DED6CB]  98.02 27.92 180 bottom
kibuzzard-64DED6CB#22  G***  [kibuzzard-64DED6CB]  59.42 27.92 180 bottom
kibuzzard-64DED6CB#23  G***  [kibuzzard-64DED6CB]  98.02 64.48 180 bottom
kibuzzard-64DED6CB#24  G***  [kibuzzard-64DED6CB]  98.02 46.2 180 bottom
kibuzzard-64DED6CB#25  G***  [kibuzzard-64DED6CB]  59.42 46.2 180 bottom
kibuzzard-64DED6CB#26  G***  [kibuzzard-64DED6CB]  136.62 64.48 180 bottom
kibuzzard-64DED6CB#27  G***  [kibuzzard-64DED6CB]  136.62 101.04 180 bottom
kibuzzard-64DED6CB#28  G***  [kibuzzard-64DED6CB]  136.62 119.32 180 bottom
kibuzzard-64DED6DA  G***  [kibuzzard-64DED6DA]  100.56 9.64 180 bottom
kibuzzard-64DED6DA#2  G***  [kibuzzard-64DED6DA]  100.56 27.92 180 bottom
kibuzzard-64DED6DA#3  G***  [kibuzzard-64DED6DA]  23.36 119.32 180 bottom
kibuzzard-64DED6DA#4  G***  [kibuzzard-64DED6DA]  23.36 27.92 180 bottom
kibuzzard-64DED6DA#5  G***  [kibuzzard-64DED6DA]  139.16 119.32 180 bottom
kibuzzard-64DED6DA#6  G***  [kibuzzard-64DED6DA]  139.16 9.64 180 bottom
kibuzzard-64DED6DA#7  G***  [kibuzzard-64DED6DA]  139.16 46.2 180 bottom
kibuzzard-64DED6DA#8  G***  [kibuzzard-64DED6DA]  100.56 82.76 180 bottom
kibuzzard-64DED6DA#9  G***  [kibuzzard-64DED6DA]  61.96 64.48 180 bottom
kibuzzard-64DED6DA#10  G***  [kibuzzard-64DED6DA]  23.36 82.76 180 bottom
kibuzzard-64DED6DA#11  G***  [kibuzzard-64DED6DA]  100.56 46.2 180 bottom
kibuzzard-64DED6DA#12  G***  [kibuzzard-64DED6DA]  61.96 9.64 180 bottom
kibuzzard-64DED6DA#13  G***  [kibuzzard-64DED6DA]  61.96 82.76 180 bottom
kibuzzard-64DED6DA#14  G***  [kibuzzard-64DED6DA]  61.96 46.2 180 bottom
kibuzzard-64DED6DA#15  G***  [kibuzzard-64DED6DA]  61.96 27.92 180 bottom
kibuzzard-64DED6DA#16  G***  [kibuzzard-64DED6DA]  23.36 101.04 180 bottom
kibuzzard-64DED6DA#17  G***  [kibuzzard-64DED6DA]  139.16 82.76 180 bottom
kibuzzard-64DED6DA#18  G***  [kibuzzard-64DED6DA]  100.56 101.04 180 bottom
kibuzzard-64DED6DA#19  G***  [kibuzzard-64DED6DA]  100.56 119.32 180 bottom
kibuzzard-64DED6DA#20  G***  [kibuzzard-64DED6DA]  23.36 9.64 180 bottom
kibuzzard-64DED6DA#21  G***  [kibuzzard-64DED6DA]  23.36 64.48 180 bottom
kibuzzard-64DED6DA#22  G***  [kibuzzard-64DED6DA]  139.16 27.92 180 bottom
kibuzzard-64DED6DA#23  G***  [kibuzzard-64DED6DA]  61.96 101.04 180 bottom
kibuzzard-64DED6DA#24  G***  [kibuzzard-64DED6DA]  61.96 119.32 180 bottom
kibuzzard-64DED6DA#25  G***  [kibuzzard-64DED6DA]  23.36 46.2 180 bottom
kibuzzard-64DED6DA#26  G***  [kibuzzard-64DED6DA]  139.16 101.04 180 bottom
kibuzzard-64DED6DA#27  G***  [kibuzzard-64DED6DA]  139.16 64.48 180 bottom
kibuzzard-64DED6DA#28  G***  [kibuzzard-64DED6DA]  100.56 64.48 180 bottom
kibuzzard-64DED6E1  G***  [kibuzzard-64DED6E1]  25.9 101.04 180 bottom
kibuzzard-64DED6E1#2  G***  [kibuzzard-64DED6E1]  64.5 101.04 180 bottom
kibuzzard-64DED6E1#3  G***  [kibuzzard-64DED6E1]  64.5 9.64 180 bottom
kibuzzard-64DED6E1#4  G***  [kibuzzard-64DED6E1]  25.9 64.48 180 bottom
